# KiCad board N2360.kicad_pcb (continued)
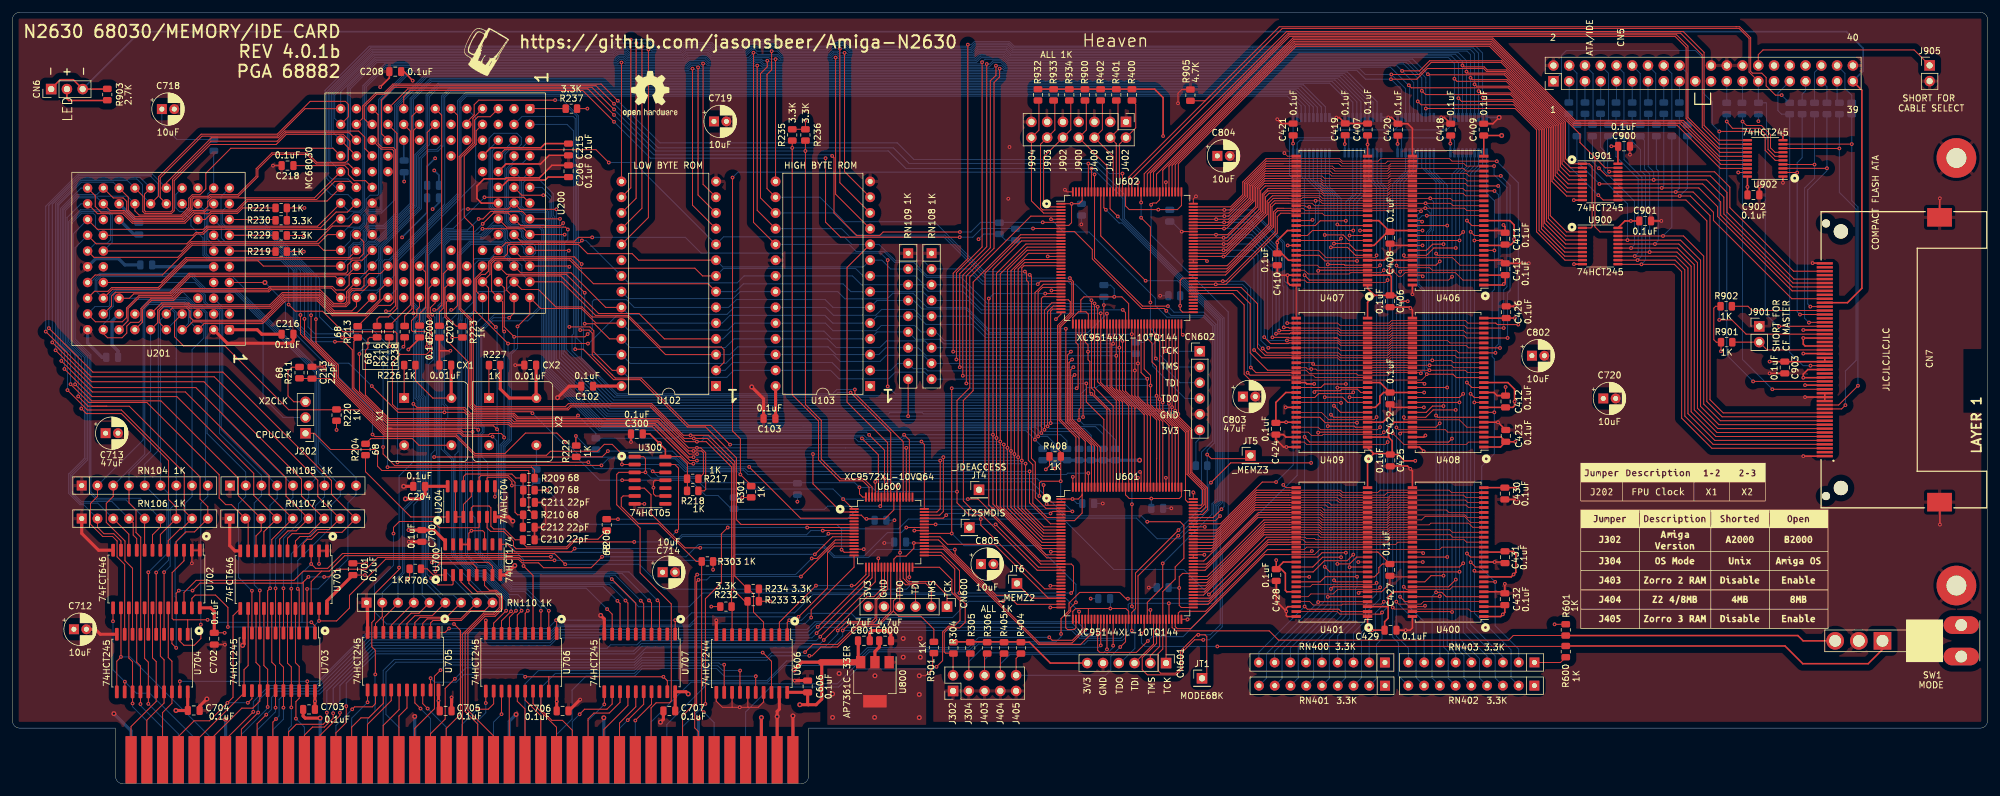
[diagram p0: board, top side]
## Routing (per net, layer and track width the routed paths; a pad name or vN(x,y) marks a point on that pad's centre or on a via; arc(x,y) is an arc through that point) (continued)
  Top w0.15: 17.2,78.33 18.85,78.33 19.55,79.03 25.5,79.03 28.58,82.1 54.04,82.1 U200.113 ; U703.9 v1(38.61,31.13)
  Bottom w0.15: 17.2,78.33 19.72,78.33 19.79,78.39 28.06,78.39 29.45,77 30.42,77 31.37,76.05 31.37,56.53 37.6,50.29 RN105.2 37.6,46.33 36.44,45.16 36.44,33.29 v1(38.61,31.13) ; U420.4 216.71,110.01 213.17,113.55 67.43,113.55 64.36,110.49 64.36,93.53 58.36,87.52 57.39,87.52 56.51,86.64 56.51,84.57 U200.113
D10: length 306.3
  Top w0.15: U703.7 41.15,31.13 v1(41.54,31.52) ; U200.99 56.41,84.48 54.81,84.48 54.05,83.71 54.05,82.65 53.76,82.36 28.47,82.36 25.4,79.29 16.58,79.29 15.97,78.68 15.97,77.1 U201.19
  Bottom w0.15: 41.52,31.51 41.52,44.89 42.68,46.06 RN105.4 33.65,57.14 33.65,76.29 32.87,77.06 31.48,77.06 30.85,77.69 30.85,78.71 30.03,79.54 16.7,79.54 15.97,78.81 15.97,77.1 U201.19 ; U200.99 65.14,93.21 65.14,101.4 66.94,103.2 66.94,110.99 68.72,112.77 208.08,112.77 211.63,109.23 211.63,107.48
D11: length 326.2
  Top w0.15: U201.20 13.38,74.53 17.71,74.53 18.38,75.2 18.38,76.76 20.39,78.77 25.61,78.77 28.66,81.82 52.08,81.82 U200.127 ; U703.6 v1(42.42,31.51)
  Bottom w0.15: U200.127 54.5,82.56 54.5,86.44 55.06,87.01 56.03,87.01 56.79,87.76 56.79,89.1 57.53,89.84 59.94,89.84 62.13,92.03 62.13,109.31 66.88,114.07 213.93,114.07 218.01,110 U420.6 ; U201.20 13.31,76.98 15.48,76.98 15.71,77.21 15.71,78.91 16.59,79.8 30.15,79.8 31.11,78.83 31.11,77.8 31.59,77.32 32.98,77.32 33.91,76.4 33.91,59.42 RN105.5 45.22,46.17 44.06,45.01 44.06,41.12 42.42,39.48 v1(42.42,31.51)
D12: length 315.5
  Top w0.15: U703.5 v1(43.69,31.52) ; U200.112 54.29,84.89 27.97,84.89 23.95,80.87 U201.29
  Bottom w0.15: U420.5 217.36,110.04 213.59,113.81 67.32,113.81 64.11,110.59 64.11,93.64 60.05,89.58 57.64,89.58 57.05,88.99 57.05,87.65 U200.112 ; v1(43.69,31.52) 43.69,39.55 46.6,42.47 46.6,44.98 47.76,46.15 RN105.6 48.79,49.13 48.79,66.35 35.86,79.28 31.03,79.28 29.44,80.87 U201.29
D13: length 326
  Top w0.15: U703.4 v1(44.96,31.46) ; 14.66,78.33 16.13,79.8 23.62,79.8 28.19,84.37 39.59,84.37 40.44,83.52 U200.126
  Bottom w0.15: 14.66,78.33 13.61,79.38 13.61,81.16 14.27,81.82 28.86,81.82 31.14,79.54 35.97,79.54 49.05,66.46 49.05,50.68 50.3,49.43 RN105.7 50.3,46.28 48.85,44.83 48.85,40.97 44.96,37.08 v1(44.96,31.46) ; U420.7 218.66,110.02 214.35,114.33 66.78,114.33 61.87,109.42 61.87,92.13 59.83,90.1 57.42,90.1 56.53,89.21 56.53,87.87 55.93,87.26 54.95,87.26 54.24,86.55 54.24,84.84 U200.126
D14: length 332.6
  Top w0.15: U703.3 46.23,31.21 v1(46,31.44) ; U200.111 56.64,87.42 56.64,85.54 55.92,84.82 54.79,84.82 54.6,84.63 28.08,84.63 23.51,80.06 16,80.06 15.39,79.44 13.23,79.44 12.12,78.33
  Bottom w0.15: 12.12,78.33 13.35,79.56 13.35,81.27 14.17,82.09 28.96,82.09 31.25,79.8 36.08,79.8 49.31,66.56 49.31,51.64 RN105.8 52.84,46.4 51.39,44.94 51.39,41.4 46,36.01 v1(46,31.44) ; U420.8 219.31,110 214.72,114.59 66.67,114.59 61.61,109.53 61.61,108.26 61.61,94.21 59.48,92.09 57.6,92.09 57.05,91.53 57.05,90.19 U200.111
D15: length 332.9
  Top w0.15: U201.30 13.34,82.09 24.17,82.09 28.99,86.9 49.33,86.9 50.17,86.06 U200.125 ; U703.2 v1(47.5,31.41)
  Bottom w0.15: U420.9 219.96,110.05 215.16,114.85 64.19,114.85 59.55,110.2 59.55,92.52 59.37,92.34 57.49,92.34 56.79,91.64 56.79,90.3 56.03,89.55 55.06,89.55 54.51,88.99 54.51,87.65 U200.125 ; 12.58,80.87 14.06,82.35 29.07,82.35 29.56,81.86 35.45,81.86 37.48,79.82 37.48,78.76 49.57,66.67 49.57,55.19 55.38,49.38 RN105.9 55.38,46.6 54.07,45.29 54.07,36.21 49.27,31.41 v1(47.5,31.41)
D16: length 479.5
  Top w0.15: U102.11 109.62,93.34 v1(109.62,115.38) ; v1(173.09,64.58) 173.09,61.6 175.92,58.77 U601.134 ; v1(159.12,115.38) 159.12,114.05 158.22,113.15 158.22,86.4 153.75,81.93 v1(153.75,64.58) ; U201.38 13.14,84.93 26.65,84.93 28.91,87.19 49.4,87.19 50.81,88.6 U200.124 ; U901.5 250.86,97.43 249.25,99.03 249.25,106.35 240.69,114.91 237.61,114.91 237.12,115.4 228.07,115.4 226.35,113.68 v1(222.2,113.68) ; U702.10 18.77,40.25 RN106.3
  Bottom w0.15: U201.38 13.39,87.22 15.28,87.22 15.82,87.75 15.82,91.71 15.18,92.35 11.08,92.35 9.32,90.59 9.32,71.42 11.86,68.88 11.86,52.39 9.32,49.85 9.32,46.94 11,45.26 13.76,45.26 RN106.3 ; U200.124 54.12,89.8 55.93,89.8 56.53,90.41 56.53,91.75 57.39,92.6 59.22,92.6 59.29,92.67 59.29,110.31 64.08,115.11 109,115.11 109.27,115.38 v1(109.62,115.38) 109.85,115.38 110.13,115.11 158.85,115.11 v1(159.12,115.38) 159.57,115.38 159.85,115.11 216.68,115.11 218.1,113.68 v1(222.2,113.68) 223.92,111.96 U419.2 ; v1(173.09,64.58) v1(153.75,64.58)
D17: length 471.3
  Top w0.15: v1(171.2,65.95) 170.83,65.58 170.83,58.82 175.42,54.22 U601.135 ; v1(110.51,115.59) 110.51,94.99 U102.12 ; v1(153.19,65.83) 153.19,82.04 157.62,86.47 157.62,113.4 158.53,114.31 v1(158.53,115.85) ; U201.37 27.3,85.95 28.8,87.45 49.04,87.45 51.56,89.97 54.29,89.97 U200.110 ; v1(222.26,114.44) 226.74,114.44 228.69,116.39 239.95,116.39 249.77,106.56 249.77,100 251.05,98.73 U901.3 ; RN106.2 13.71,41.37 14.75,40.33 16.33,40.33 17.5,39.16 U702.11
  Bottom w0.15: U201.37 16.08,87.37 16.08,91.82 15.29,92.61 10.97,92.61 9.06,90.7 9.06,71.31 11.6,68.77 11.6,52.5 9.06,49.96 9.06,46.83 10.89,45 11.48,45 RN106.2 ; v1(171.2,65.95) 171.08,65.83 v1(153.19,65.83) ; U419.3 224.57,112.13 v1(222.26,114.44) 218.06,114.44 217.14,115.37 159.95,115.37 159.44,115.88 158.56,115.88 v1(158.53,115.85) 158.04,115.37 110.74,115.37 v1(110.51,115.59) 110.2,115.9 109.43,115.9 108.89,115.37 63.98,115.37 59.03,110.42 59.03,95.1 58.89,94.95 57.65,94.95 57.02,94.33 57.02,92.71 U200.110
D18: length 460.8
  Top w0.15: v1(152.69,67.2) 152.69,82.28 157.05,86.64 v1(157.05,116.13) ; U102.13 111.33,96.72 v1(111.32,116.2) ; 52.36,91.14 50.66,89.44 31.53,89.44 30.77,88.68 29.67,88.68 28.1,87.11 13.49,87.11 12.12,88.49 ; RN106.6 23.87,41.43 22.58,40.14 U702.7 ; U901.2 251.15,99.38 250.07,100.45 250.07,106.63 240.05,116.65 228.43,116.65 226.8,115.02 v1(223.99,115.02) ; U601.136 174.92,54.36 170.57,58.71 170.57,66.76 v1(171.01,67.2)
  Bottom w0.15: v1(171.01,67.2) v1(152.69,67.2) ; RN106.6 20.6,46.04 13.68,46.04 12.64,47.08 12.64,69.21 10.1,71.75 10.1,86.47 12.12,88.49 ; U200.123 54.03,91.14 55.02,92.13 56.08,92.13 56.76,92.82 56.76,112.54 60.11,115.88 108.67,115.88 109.21,116.42 111.11,116.42 v1(111.32,116.2) 111.68,116.2 112,115.88 119.28,115.88 119.77,116.38 120.53,116.38 121.02,115.88 156.81,115.88 v1(157.05,116.13) 157.53,116.13 158.04,116.64 159.42,116.64 160.17,115.88 223.13,115.88 v1(223.99,115.02) 225.87,113.15 U419.5
D19: length 466
  Top w0.15: v1(156.3,116.43) 156.3,86.6 152.15,82.45 v1(152.15,68.44) ; U900.8 250.2,85.13 246.07,89.25 246.07,105.48 242.01,109.55 227.07,109.55 v1(226.52,110.1) ; U702.8 21.31,42.74 ; U200.122 49.19,89.96 31.27,89.96 30.77,89.45 13.7,89.45 U201.48 ; U601.137 174.42,54.49 170.31,58.6 170.31,67.95 v1(170.8,68.44) ; U102.15 v1(98.17,116.37)
  Bottom w0.15: U419.6 v1(226.52,110.1) 226.52,113.86 224.23,116.14 160.28,116.14 159.52,116.9 156.77,116.9 v1(156.3,116.43) 156.01,116.14 121.13,116.14 120.64,116.64 119.67,116.64 119.17,116.14 112.13,116.14 111.57,116.7 109.13,116.7 108.57,116.14 98.77,116.14 98.54,116.37 v1(98.17,116.37) 97.81,116.37 97.58,116.14 60.01,116.14 56.51,112.64 56.51,92.92 55.97,92.39 54.2,92.39 U200.122 ; v1(170.8,68.44) v1(152.15,68.44) ; 21.33,42.77 18.32,45.78 13.58,45.78 12.38,46.98 12.38,69.1 9.84,71.64 9.84,88.75 U201.48
D20: length 493.8
  Top w0.15: v1(170.62,69.71) 170.05,69.14 170.05,58.48 171.94,56.59 171.95,56.59 173.92,54.62 U601.138 ; 14.66,88.49 29.11,88.49 29.56,88.94 30.63,88.94 31.38,89.7 49.63,89.7 52.17,92.24 54.01,92.24 U200.109 ; RN106.4 19.47,42.09 19.47,40.11 20.04,39.54 U702.9 ; U102.16 99.68,96.15 99.68,120.04 ; v1(151.63,69.71) 151.63,82.36 154,84.73 v1(154,119.25) ; v1(236.97,110.7) 237.31,110.36 241.93,110.36 246.71,105.58 246.71,89.96 250.25,86.43 U900.6
  Bottom w0.15: RN106.4 16.04,45.52 11.11,45.52 9.58,47.05 9.58,49.69 12.12,52.23 12.12,68.99 9.58,71.53 9.58,90.48 11.17,92.07 13.02,92.07 13.38,91.71 13.38,89.77 14.66,88.49 ; U418.9 v1(236.97,110.7) 236.97,112.98 236.97,113.69 236.97,116.61 236.97,117.88 235.86,119 161.46,119 160.71,119.75 155.06,119.75 154.56,119.25 v1(154,119.25) 153.74,119 135.3,119 134.41,119.88 131.95,119.88 131.07,119 124.67,119 123.65,120.01 118.6,120.01 117.59,119 113.33,119 112.77,119.56 107.94,119.56 107.38,119 103.49,119 102.43,120.05 v1(99.67,120.05) 97.4,120.05 96.34,119 57.52,119 50.39,111.87 50.39,96.04 51.37,95.05 54.08,95.05 U200.109 ; v1(170.62,69.71) v1(151.63,69.71)
D21: length 397.3
  Top w0.15: 100.53,119.49 100.53,94.46 U102.17 ; v1(236.32,111.75) 236.63,111.45 241.58,111.45 247.27,105.75 247.27,90.8 250.35,87.73 U900.4 ; U201.58 13.71,91.98 17.8,91.98 19.32,90.45 27.82,90.45 29.35,91.98 31.64,91.98 31.97,92.3 36.17,92.3 37.88,94.01 50.71,94.01 U200.121 ; v1(11.1,60.53) 11.92,59.71 17.57,59.71 25.17,52.1 25.17,45.85 26.41,44.61 26.41,42.77 23.85,40.2 U702.6
  Bottom w0.15: v1(11.1,60.53) 11.1,68.88 8.8,71.17 8.8,91.33 11.04,93.57 U201.58 ; U200.121 52.11,96.22 50.65,97.68 50.65,111.64 57.75,118.74 96.46,118.74 97.22,119.5 v1(100.55,119.5) 102.62,119.5 103.38,118.74 107.49,118.74 108.05,119.3 112.66,119.3 113.22,118.74 117.7,118.74 118.71,119.75 123.55,119.75 124.56,118.74 131.18,118.74 132.06,119.62 134.31,119.62 135.19,118.74 154.42,118.74 155.17,119.49 160.6,119.49 161.35,118.74 199.94,118.74 235.46,118.74 236.32,117.87 v1(236.32,111.75) U418.8
D22: length 410.7
  Top w0.15: v1(8.87,63.5) 12.09,60.29 17.57,60.29 27.7,50.16 27.7,44.02 RN106.8 27.28,41.09 27.01,41.09 25.12,39.2 U702.5 ; 12.12,96.11 13.35,94.87 13.35,93.13 14.25,92.24 17.91,92.24 19.43,90.71 27.67,90.71 29.19,92.24 30.97,92.24 31.3,92.56 36.07,92.56 37.78,94.27 49.04,94.27 51.96,97.2 54.47,97.2 U200.108 ; v1(235.67,112.85) 235.98,112.55 241.21,112.55 247.87,105.89 247.87,91.65 250.5,89.03 U900.2 ; U102.18 101.47,92.86 101.47,118.97
  Bottom w0.15: U418.7 v1(235.67,112.85) 235.67,117.78 234.98,118.48 161.24,118.48 160.49,119.23 155.28,119.23 154.52,118.48 135.08,118.48 134.2,119.36 132.17,119.36 131.28,118.48 124.45,118.48 123.44,119.49 118.82,119.49 117.81,118.48 113.12,118.48 112.56,119.04 108.16,119.04 107.6,118.48 103.27,118.48 102.78,118.97 v1(101.47,118.98) 97.06,118.97 96.56,118.48 57.86,118.48 50.91,111.53 50.91,98.12 51.45,97.58 54.09,97.58 U200.108 ; 12.12,96.11 11.06,96.11 7.76,92.81 7.76,70.74 8.87,69.63 v1(8.87,63.5)
D23: length 401.4
  Top w0.15: 12.74,60.9 15.22,60.9 ; 15.22,60.9 12.19,60.9 v1(10.61,62.49) ; 15.22,60.9 18.84,60.9 30.25,49.49 30.25,45.93 31.49,44.68 31.49,42.77 29.35,40.62 27.95,40.62 26.39,39.06 U702.4 ; U201.57 15.73,92.5 18.03,92.5 19.55,90.97 27.51,90.97 29.03,92.5 30.87,92.5 31.49,93.12 31.49,93.96 32.06,94.53 48.69,94.53 U200.120 ; U901.8 250.53,95.48 248.41,97.59 248.41,106.08 240.9,113.6 235.33,113.6 v1(235.02,113.9) ; U102.19 102.51,91.36 v1(102.51,118.47)
  Bottom w0.15: U201.57 13.7,94.53 10.59,94.53 8.54,92.49 8.54,71.07 10.61,69 v1(10.61,62.49) ; U200.120 51.17,100.5 51.17,111.43 57.96,118.22 96.67,118.22 97.17,118.71 99.13,118.71 99.38,118.47 v1(102.51,118.47) 102.82,118.47 103.07,118.22 107.71,118.22 108.27,118.78 112.45,118.78 113.01,118.22 117.91,118.22 118.93,119.23 123.33,119.23 124.34,118.22 131.39,118.22 132.27,119.1 134.09,119.1 134.97,118.22 154.63,118.22 155.38,118.97 160.38,118.97 161.14,118.22 234.46,118.22 235.02,117.65 v1(235.02,113.9) U418.6
D24: length 399.3
  Top w0.15: v1(228.15,114.48) 228.24,114.39 240.48,114.39 248.67,106.19 248.67,98.1 250.65,96.13 253.06,96.13 ; v1(9.37,64.45) 12.32,61.51 21.67,61.51 33.32,49.85 33.32,46.08 34.39,45.02 35.31,45.02 RN107.2 ; U701.11 38,42.34 ; 14.66,96.11 16.25,94.52 17.86,94.52 18.42,93.95 18.42,92.47 19.66,91.23 27.4,91.23 28.95,92.78 28.95,94.26 29.21,94.52 31.68,94.52 31.95,94.79 36.42,94.79 39.57,97.93 39.57,99.15 41.93,101.52 47.44,101.52 48.96,100 54.19,100 54.67,99.52 54.69,99.52 U200.107 ; U103.11 132.69,95.12 v1(132.69,117.17)
  Bottom w0.15: U419.9 228.47,114.16 v1(228.15,114.48) 225.71,116.92 160.6,116.92 159.85,117.68 155.92,117.68 155.17,116.92 133.25,116.92 133,117.17 v1(132.69,117.17) 132.36,117.17 132.12,116.92 123.81,116.92 123.31,117.42 119.34,117.42 118.85,116.92 112.47,116.92 111.91,117.48 108.8,117.48 108.24,116.92 99.09,116.92 98.61,117.4 97.68,117.4 97.21,116.92 58.53,116.92 53.99,112.38 53.99,100.22 U200.107 ; v1(9.37,64.45) 9.37,69.5 8.02,70.85 8.02,92.71 10.37,95.05 13.6,95.05 14.66,96.11
D25: length 398
  Top w0.15: U701.10 39.27,39.97 40.1,40.81 RN107.3 36.42,46.45 36.42,49.29 23.95,61.77 12.77,61.77 v1(10.1,64.43) ; v1(234.37,114.9) 234.62,114.65 240.58,114.65 248.97,106.26 248.97,98.55 250.75,96.78 U901.6 ; U200.119 51.68,102.53 35.2,102.53 31.17,98.5 31.17,95.97 30.24,95.04 29,95.04 28.43,94.47 28.43,93 27.19,91.75 20.42,91.75 19.74,92.44 U201.55 ; v1(133.37,118.6) 133.37,96.97 U103.12
  Bottom w0.15: U200.119 51.43,102.78 51.43,111.32 58.07,117.96 96.78,117.96 97.27,118.46 99.03,118.46 99.52,117.96 107.81,117.96 108.37,118.52 112.34,118.52 112.9,117.96 118.02,117.96 119.03,118.97 123.22,118.97 124.24,117.96 131.57,117.96 132.22,118.6 v1(133.37,118.6) 134.23,118.6 134.87,117.96 154.74,117.96 155.49,118.71 160.28,118.71 161.03,117.96 233.07,117.96 234.37,116.65 v1(234.37,114.9) U418.5 ; U201.55 18.52,94.79 10.48,94.79 8.28,92.6 8.28,70.96 10.1,69.14 v1(10.1,64.43)
D26: length 401.9
  Top w0.15: v1(134.13,117.93) 134.13,98.76 U103.13 ; U701.9 40.54,40.66 RN107.4 38.9,46.51 38.9,50.06 26.51,62.45 12.85,62.45 v1(8.38,66.91) ; 17.2,96.11 18.68,94.62 18.68,92.58 19.77,91.49 27.29,91.49 28.69,92.89 28.69,94.36 29.1,94.78 31.57,94.78 31.85,95.05 36.32,95.05 39.29,98.02 39.29,99.24 41.82,101.78 47.55,101.78 49.07,100.26 53.73,100.26 54.15,100.68 54.15,102.61 U200.118 ; U901.4 251,98.08 249.51,99.56 249.51,106.45 240.79,115.17 237.72,115.17 237.23,115.66 233.96,115.66 v1(233.72,115.9)
  Bottom w0.15: 17.2,96.11 16.25,97.06 11.13,97.06 7.47,93.4 7.47,70.67 8.38,69.76 v1(8.38,66.91) ; U200.118 51.69,105.06 51.69,111.21 58.18,117.7 96.89,117.7 97.38,118.2 98.92,118.2 99.41,117.7 107.92,117.7 108.48,118.26 112.23,118.26 112.79,117.7 118.13,117.7 119.14,118.71 123.12,118.71 124.13,117.7 131.73,117.7 132.23,118.2 133.1,118.2 133.36,117.93 v1(134.13,117.93) 134.44,117.93 134.67,117.7 154.85,117.7 155.6,118.46 160.17,118.46 160.92,117.7 232.58,117.7 233.72,116.55 v1(233.72,115.9) U418.4
D27: length 406.7
  Top w0.15: U701.8 41.81,39.39 RN107.5 41.37,46.58 41.37,49.7 27.87,63.2 12.89,63.2 v1(7.88,68.21) ; U200.106 54.41,102.35 54.41,103.69 53.31,104.79 44.16,104.79 42.51,103.14 31.91,103.14 26.07,97.3 26.07,92.45 25.63,92.01 21.31,92.01 21.02,92.3 21.02,94.82 19.74,96.11 ; U103.15 123.01,103.5 ; 253.06,84.48 250.25,84.48 245.67,89.05 245.67,105.5 242.23,108.95 v1(227.82,108.95) ; 123.01,103.5 v1(123.01,116.91)
  Bottom w0.15: U419.8 227.82,112.45 227.82,113.17 227.82,113.91 225.06,116.66 160.49,116.66 159.74,117.42 156.05,117.42 155.29,116.66 123.58,116.66 123.33,116.91 v1(123.01,116.91) 122.16,116.91 121.92,117.16 119.45,117.16 118.96,116.66 112.36,116.66 111.8,117.22 108.91,117.22 108.35,116.66 98.98,116.66 98.51,117.14 97.79,117.14 97.32,116.66 58.64,116.66 54.25,112.27 54.25,102.5 U200.106 ; v1(7.88,68.21) 7.88,69.89 7.21,70.56 7.21,93.51 11.02,97.32 18.53,97.32 19.74,96.11
D28: length 503
  Top w0.15: U601.7 166.8,42.93 164.47,45.25 164.47,51.44 163.75,52.17 163.75,80.93 163.47,81.2 163.47,82.35 v1(163.2,82.63) ; v1(6.95,69.93) 12.98,63.9 29.57,63.9 44.1,49.38 44.1,46.39 RN107.6 45.74,40.79 44.41,40.79 43.08,39.45 U701.7 ; U103.16 121.63,96.02 121.63,114.44 122.37,115.18 v1(122.37,118.2) ; v1(233.07,110.6) 233.57,110.1 241.82,110.1 246.45,105.47 246.45,89.52 250.2,85.78 U900.7 ; U200.117 54.17,107.64 54.17,109.6 53.67,110.1 47.99,110.1 42.69,104.8 30.42,104.8 23.56,97.94 23.56,94.85 U201.54
  Bottom w0.15: v1(6.95,69.93) 6.95,93.63 10.9,97.58 20.05,97.58 20.97,96.65 20.97,94.87 U201.54 ; U418.3 v1(233.07,110.6) 233.07,111.45 233.07,112.15 233.07,116.3 231.94,117.44 160.81,117.44 160.06,118.2 155.71,118.2 154.95,117.44 133.49,117.44 132.99,117.94 132.33,117.94 131.84,117.44 124.02,117.44 123.26,118.2 v1(122.37,118.2) 119.97,118.2 119.72,118.45 119.25,118.45 118.24,117.44 112.69,117.44 112.13,118 108.59,118 108.03,117.44 99.3,117.44 98.83,117.92 97.47,117.92 96.99,117.44 58.29,117.44 51.95,111.1 51.95,107.34 U200.117 ; U103.16 130.16,94.63 134.12,90.68 148.62,90.68 156.67,82.63 v1(163.2,82.63)
D29: length 503.9
  Top w0.15: U701.6 44.35,39.59 45.09,40.34 47.83,40.34 RN107.7 46.6,46.43 46.6,49.13 30.87,64.85 12.77,64.85 v1(6.42,71.2) ; U103.17 120.58,94.53 120.58,114.59 121.67,115.68 v1(121.67,116.65) ; U900.5 250.35,87.08 246.97,90.45 246.97,105.68 241.47,111.19 227.79,111.19 v1(227.17,111.8) ; 22.28,96.11 21.28,95.11 21.28,92.49 21.42,92.35 21.42,92.3 21.45,92.27 25.53,92.27 25.81,92.56 25.81,97.49 32,103.68 42.67,103.68 44.04,105.05 54.25,105.05 U200.105 ; U601.4 166.57,44.43 164.87,46.13 164.87,51.87 164.25,52.5 164.25,81.83 v1(163.97,82.1)
  Bottom w0.15: U419.7 227.17,113.89 224.65,116.4 160.38,116.4 159.63,117.16 156.15,117.16 155.4,116.4 122.15,116.4 121.9,116.65 v1(121.67,116.65) 120.99,116.65 120.75,116.9 119.56,116.9 119.07,116.4 112.26,116.4 111.7,116.96 109.02,116.96 108.46,116.4 98.87,116.4 98.4,116.88 97.9,116.88 97.42,116.4 58.75,116.4 54.51,112.16 54.51,104.79 U200.105 ; v1(163.97,82.1) 156.72,82.1 150.3,88.53 135.9,88.53 132.33,92.09 U103.17 ; v1(6.42,71.2) 6.42,93.49 10.18,97.24 10.19,97.24 10.79,97.84 20.55,97.84 22.28,96.11
D30: length 504.3
  Top w0.15: v1(170.45,81.58) 171.02,81 171.02,75.75 168.97,73.7 168.97,58.73 171.92,55.78 U601.142 ; v1(225.07,112.7) 225.49,112.29 241.1,112.29 247.57,105.82 247.57,91.2 250.4,88.38 U900.3 ; U701.5 45.62,39.15 46.35,39.89 48.02,39.89 49.13,41 51.04,41 RN107.8 49.22,46.35 49.22,48.95 32.52,65.65 12.67,65.65 v1(5.37,72.95) ; v1(120.04,115.87) 120.04,92.52 U103.18 ; U200.93 56.79,102.5 56.79,104.34 55.82,105.31 43.93,105.31 42.86,104.23 32.09,104.23 24.82,96.96 24.82,96.11
  Bottom w0.15: U103.18 133.65,89.55 134.97,88.23 150.11,88.23 156.76,81.58 v1(170.45,81.58) ; 24.82,96.11 22.57,98.36 10.56,98.36 5.37,93.17 v1(5.37,72.95) ; U419.4 225.22,112.51 222.1,115.63 160.06,115.63 159.31,116.38 158.15,116.38 157.4,115.63 120.88,115.63 120.63,115.87 v1(120.04,115.87) 119.67,115.87 119.42,115.63 111.2,115.63 110.66,116.16 109.32,116.16 108.78,115.63 60.22,115.63 57.02,112.43 57.02,102.27 U200.93
D31: length 504.8
  Top w0.15: v1(5.87,73.5) 12.97,66.4 33.92,66.4 51.42,48.9 51.42,46.69 RN107.9 53.13,40.55 49.33,40.55 48.22,39.44 47.53,39.44 46.89,38.79 U701.4 ; U201.53 23.82,94.56 23.82,97.75 30.56,104.49 42.75,104.49 47.17,108.92 U200.116 ; v1(165.27,80.6) 165.75,81.08 U602.26 170.55,81.08 170.76,80.86 170.76,75.86 168.71,73.81 168.71,72.84 168.71,58.61 171.42,55.9 U601.143 ; v1(119.45,117.95) 119.45,90.58 U103.19 ; v1(232.42,113.75) 232.84,113.34 240.79,113.34 248.15,105.97 248.15,97.18 250.51,94.83 U901.9
  Bottom w0.15: U418.2 v1(232.42,113.75) 232.42,116.2 231.45,117.18 160.71,117.18 159.95,117.94 155.81,117.94 155.06,117.18 133.37,117.18 132.88,117.68 132.45,117.68 131.95,117.18 123.91,117.18 123.42,117.68 120.13,117.68 119.85,117.95 v1(119.45,117.95) 118.68,117.18 112.58,117.18 112.02,117.74 108.7,117.74 108.14,117.18 99.2,117.18 98.72,117.66 97.58,117.66 97.1,117.18 58.43,117.18 52.91,111.67 U200.116 ; U201.53 23.47,94.91 23.47,96.8 22.18,98.1 10.67,98.1 5.87,93.3 v1(5.87,73.5) ; v1(165.27,80.6) 156.33,80.6 154.97,81.96 147.45,81.96 145.31,84.1 144.02,84.1 142.24,84.1 140.47,85.87 136,85.87 134.86,87.01 U103.19
DA0: length 114
  Top w0.15: U602.113 186.42,99.62 206.61,119.8 238.4,119.8 251.69,106.51 268.8,106.51 275.38,99.93 U902.17
DA1: length 113.6
  Top w0.15: U602.112 186.92,99.75 206.68,119.51 238.33,119.51 251.58,106.25 268.31,106.25 275.28,99.28 U902.18
DA2: length 114.5
  Top w0.15: U902.16 275.25,100.58 269.06,106.77 251.8,106.77 238.51,120.06 206.5,120.06 185.42,98.99 U602.115
DRSEL: length 121.3
  Top w0.15: 49.85,34.29 46.88,34.29 45.39,32.8 29.61,32.8 27.66,30.85 U702.22 ; 49.85,34.29 51.06,34.29 53.55,36.78 81.76,36.78 81.93,36.62 v1(86.79,36.62) ; 49.85,34.29 48.16,32.59 U701.22 ; U600.9 v1(131.52,40.33)
  Bottom w0.15: v1(131.52,40.33) 131.09,39.89 108.01,39.89 105.44,37.32 87.49,37.32 v1(86.79,36.62)
E: length 99.8
  Top w0.15: CN700.50 64.84,8.9 68.02,12.08 68.02,17.33 v1(69.01,18.31) ; v1(127.76,21.21) 129.01,22.46 132.99,22.46 136.19,25.66 139.43,25.66 141.57,27.8 U600.25
  Bottom w0.15: v1(127.76,21.21) 122.41,21.21 121.57,20.37 101.48,20.37 100.25,19.14 69.83,19.14 v1(69.01,18.31)
EMA0: length 104.7
  Top w0.11: 205.75,98.45 212.25,98.45 212.64,98.06 U407.23 221.76,98.06 222.17,98.46 234.36,98.46 234.77,98.06 U406.23 ; U409.23 221.93,71.92 222.32,72.31 234.01,72.31 234.4,71.92 U408.23
  Top w0.15: U406.23 239.89,98.06 v1(239.9,98.07) ; U602.101 195.8,90.08 199.87,94.15 199.87,96.41 201.91,98.45 205.75,98.45 ; U408.23 v1(241,71.92)
  Bottom w0.15: v1(239.9,98.07) 241.39,96.58 241.39,79.53 241,79.14 v1(241,71.92)
EMA1: length 110.8
  Top w0.11: 205.76,99.26 212.74,99.26 213.15,98.86 U407.24 221.63,98.86 222.03,99.26 233.89,99.26 234.3,98.86 U406.24 ; 205.86,73.11 213.68,73.11 214.07,72.72 U409.24 221.92,72.72 222.31,73.11 233.91,73.11 234.3,72.72 U408.24
  Top w0.15: U602.103 v1(194.03,91.08) 196.02,91.08 199.35,94.41 199.35,96.63 201.99,99.26 205.76,99.26 ; 205.86,73.11 v1(204.18,73.11)
  Bottom w0.15: v1(194.03,91.08) 194.03,91.08 199.34,91.08 204.18,86.25 v1(204.18,73.11)
EMA2: length 102.9
  Top w0.11: 237.27,73.52 234.47,73.52 234.07,73.91 222.29,73.91 221.89,73.52 218.54,73.52 ; 204.85,100.05 213.79,100.05 214.18,99.66 U407.25 221.78,99.66 222.18,100.05 233.97,100.05 234.36,99.66 U406.25
  Top w0.15: U408.25 240.37,73.52 v1(240.37,73.52) ; U602.105 196.1,92.08 198.83,94.82 198.83,96.84 202.04,100.05 204.85,100.05 ; U406.25 v1(238.82,99.66)
  Bottom w0.15: v1(240.37,73.52) 240.37,79.66 240.89,80.18 240.89,96.18 238.82,98.26 v1(238.82,99.66)
EMA3: length 106.3
  Top w0.11: U406.26 232.04,100.46 231.64,100.85 220.54,100.85 220.15,100.46 U407.26 214.33,100.46 213.94,100.85 205.5,100.85 ; U408.26 234.61,74.32 234.22,74.71 222.27,74.71 221.88,74.32 U409.26
  Top w0.15: U602.107 196.34,93.08 198.31,95.05 198.31,97.08 202.08,100.85 205.5,100.85 ; U408.26 239.1,74.32 239.34,74.07 v1(242.72,74.07) ; U406.26 239.23,100.46 v1(239.26,100.43)
  Bottom w0.15: v1(239.26,100.43) 242.72,96.96 v1(242.72,74.07)
EMA4: length 85.7
  Top w0.11: U409.29 213.61,74.32 214.02,73.91 221.97,73.91 222.38,74.32 U408.29 ; U406.29 221.67,100.46 221.26,100.05 214.41,100.05 214,100.46 U407.29
  Top w0.15: U407.29 202.08,100.46 198.57,96.95 198.57,94.92 196.23,92.58 v1(195.34,92.58) U602.106 ; U409.29 v1(205.47,74.32)
  Bottom w0.15: v1(195.34,92.58) 199.8,92.58 205.02,87.35 205.02,81.12 205.47,80.68 v1(205.47,74.32)
EMA5: length 86.3
  Top w0.11: U406.30 222.12,99.66 221.71,99.25 213.15,99.25 212.75,99.66 U407.30 ; 225.77,73.52 222.2,73.52 221.8,73.11 214.15,73.11 213.74,73.52 207.04,73.52
  Top w0.15: U602.104 v1(195.34,91.58) 196.03,91.58 199.09,94.64 199.09,96.74 202.01,99.66 U407.30 ; v1(204.92,73.62) 205.68,73.62 205.79,73.52 U409.30
  Bottom w0.15: v1(195.34,91.58) 200.43,91.58 204.76,87.25 204.76,80.32 204.92,80.16 v1(204.92,73.62)
EMA6: length 86.6
  Top w0.11: U409.31 213.58,72.72 213.97,72.32 222,72.32 222.4,72.72 U408.31 ; U406.31 222.1,98.86 221.71,98.46 212.82,98.46 212.43,98.86 U407.31
  Top w0.15: U407.31 201.95,98.86 199.61,96.52 199.61,94.26 195.93,90.58 v1(195.31,90.58) U602.102 ; v1(203.67,72.59) 205.89,72.59 206.02,72.72 U409.31
  Bottom w0.15: v1(203.67,72.59) 203.67,86.2 199.3,90.58 v1(195.31,90.58)
EMA7: length 87.3
  Top w0.11: 213.04,71.92 U409.32 ; 213.04,71.92 213.6,71.92 ; 213.04,71.92 213.6,71.92 ; 213.6,71.92 214,71.51 221.99,71.51 222.4,71.92 U408.32 ; U406.32 222.07,98.06 221.66,97.65 211.5,97.65 211.09,98.06 U407.32
  Top w0.15: U602.100 v1(195.3,89.58) 195.69,89.58 200.13,94.02 200.13,96.3 201.88,98.06 U407.32 ; U409.32 205.75,71.92 205.64,72.02 v1(203.09,72.02)
  Bottom w0.15: v1(195.3,89.58) 199.52,89.58 203.09,86 v1(203.09,72.02)
EMA8: length 87.3
  Top w0.11: U406.33 222.14,97.26 221.74,96.86 211.27,96.86 210.88,97.26 U407.33 ; 207.04,71.12 213.7,71.12 214.11,70.71 221.84,70.71 222.24,71.12 225.77,71.12
  Top w0.15: v1(201.77,72.04) 202.8,71.01 205.68,71.01 205.79,71.12 U409.33 ; U602.97 v1(195.23,88.08) 195.71,88.08 200.65,93.02 200.65,96.09 201.82,97.26 U407.33
  Bottom w0.15: v1(195.23,88.08) 199.64,88.08 201.77,85.94 v1(201.77,72.04)
EMA9: length 87.5
  Top w0.11: U409.34 213.67,70.32 214.06,69.92 221.85,69.92 222.24,70.32 U408.34 ; U406.34 222.11,96.46 221.7,96.05 211.22,96.05 210.81,96.46 U407.34
  Top w0.15: U602.95 v1(195.23,87.08) 195.85,87.08 201.2,92.43 201.2,95.71 201.95,96.46 U407.34 ; U409.34 v1(202.43,70.32)
  Bottom w0.15: v1(195.23,87.08) 199.95,87.08 201.24,85.78 201.24,71.52 202.44,70.32
EMA10: length 112.1
  Top w0.11: 218.55,71.12 214.06,71.12 213.67,71.51 205.44,71.51 v1(205.43,71.51) ; U406.22 234.5,97.26 234.09,97.66 222.23,97.66 221.82,97.26 U407.22 211.25,97.26 210.86,97.65 205.81,97.65 ; 218.54,71.12 221.93,71.12 222.32,71.51 231.32,71.51 231.71,71.12 237.27,71.12
  Top w0.15: 205.81,97.65 201.85,97.65 200.39,96.2 200.39,93.13 195.84,88.58 v1(194,88.58) U602.98
  Bottom w0.15: v1(194,88.58) 199.77,88.58 202.3,86.04 202.3,71.68 202.47,71.51 v1(205.43,71.51)
